# Altium PCB visual_tactile.PcbDoc
Units mil, origin at the board's own origin, x right, y up, seen from the top; angles counter-clockwise.
Board outline 6000 x 4000 mil, 6 copper layers (Top Layer, Mid Layer 1, Mid Layer 2, Mid Layer 3, Mid Layer 4, Bottom Layer), stack 62.874 mil thick; 169 components, 162 nets, 654 pads, 8 vias.
Unrouted connection lines stored in the file: 442.
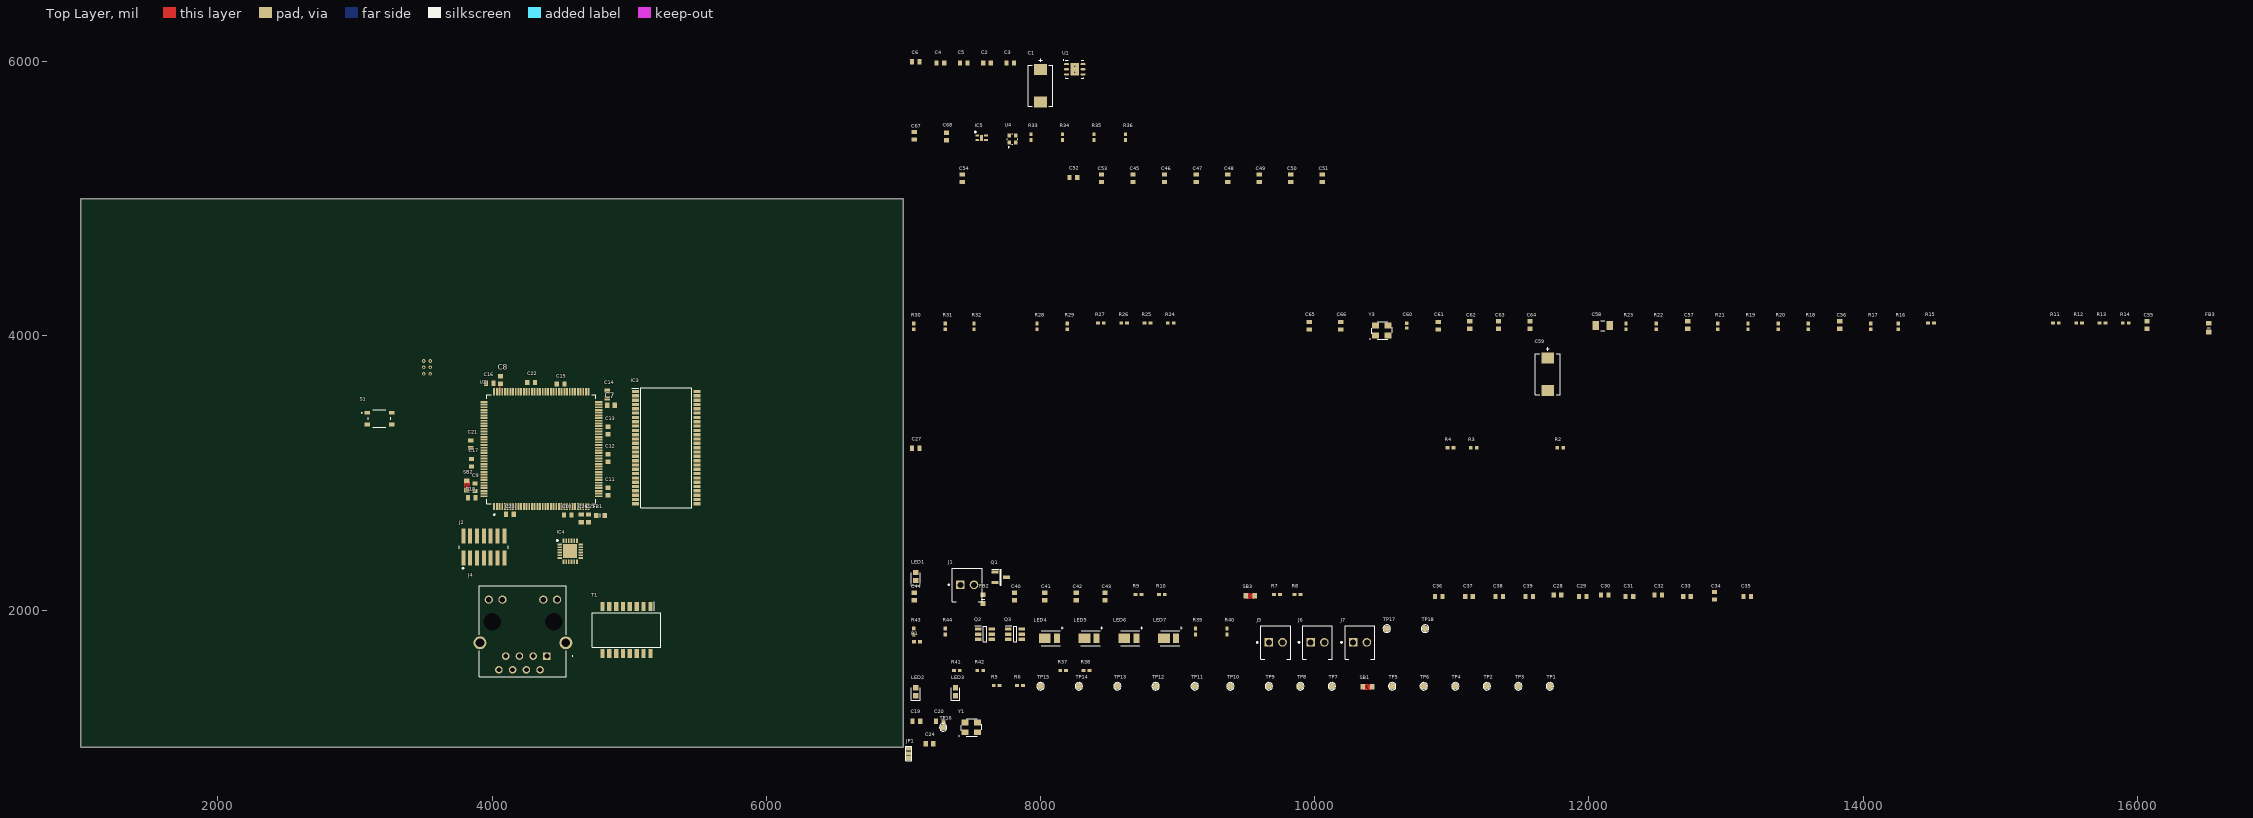
[diagram p0: Top Layer view]
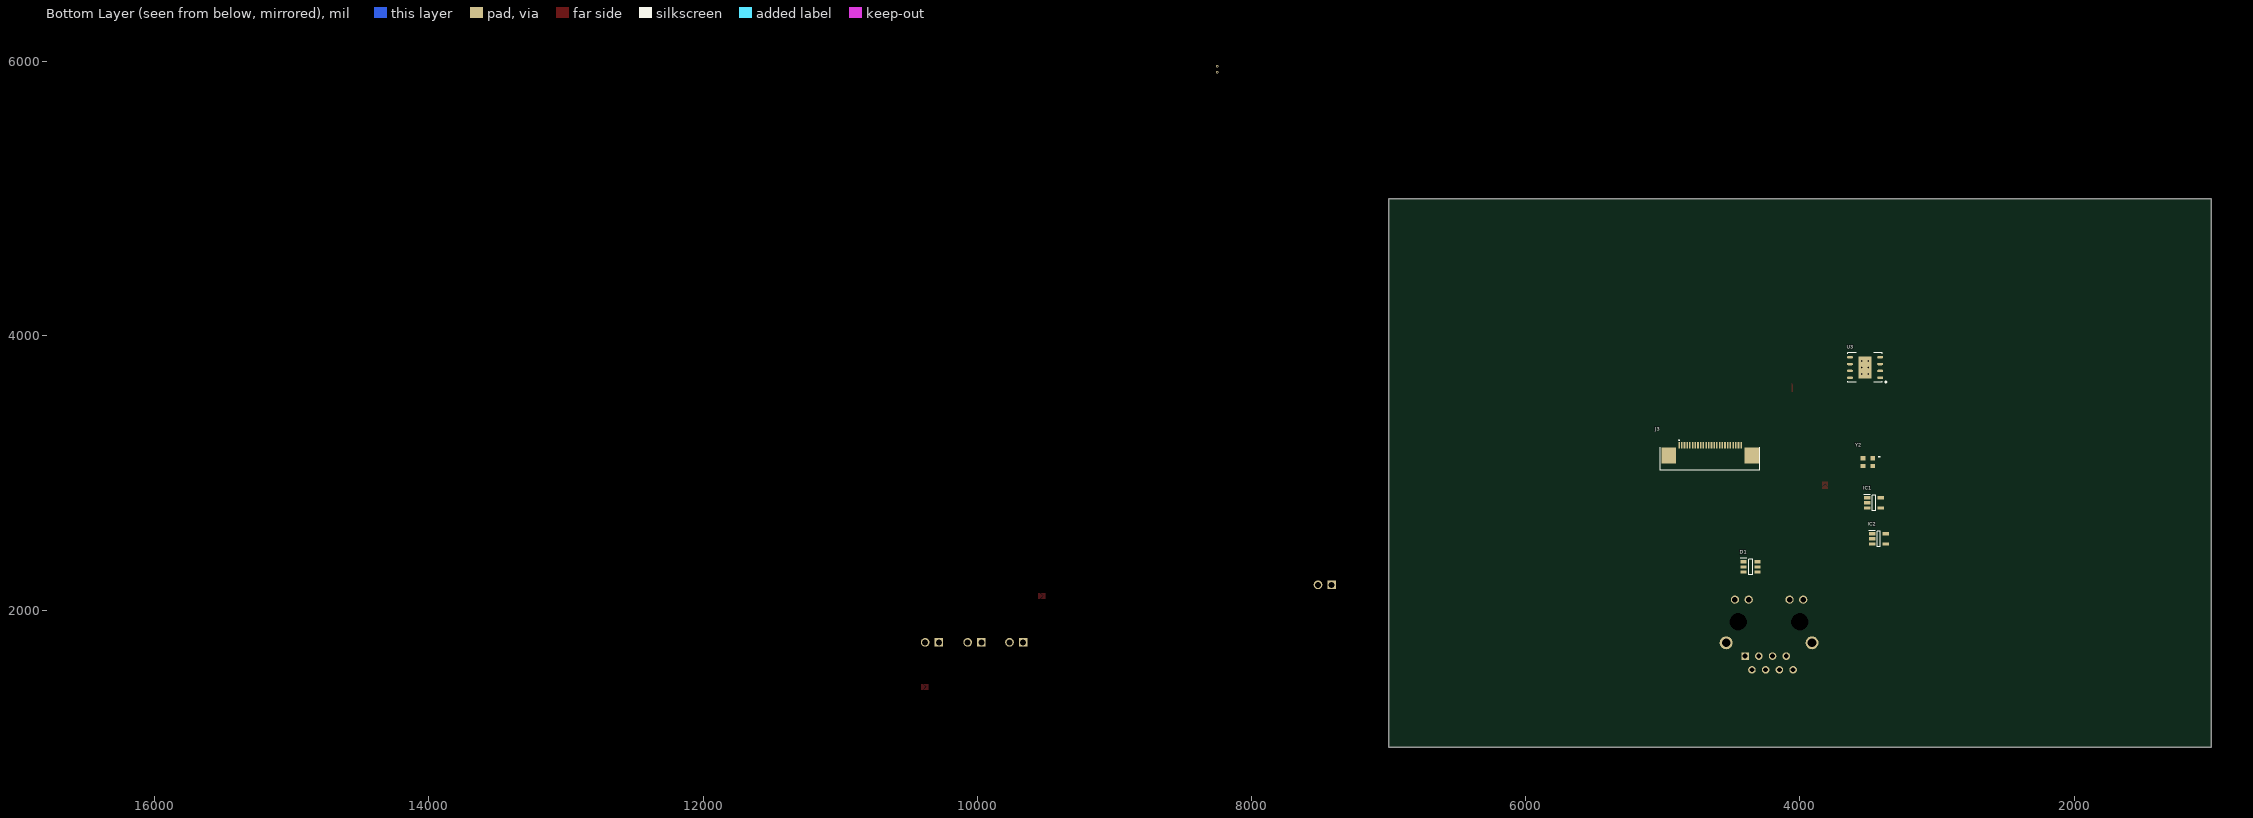
[diagram p1: Bottom Layer view, seen from below]

## Layer stack, top to bottom
Top Solder: solder mask 0.5, Solder Resist, Dk 3.8
Top Layer: signal copper 1.378
Dielectric 1: prepreg 3.937, 2313, Dk 4.05
Mid Layer 1: signal copper 0.689
Core 1: core 22.2441, FR-4, Dk 4.5
Mid Layer 2: signal copper 0.689
Dielectric 2: prepreg 5, 2116, Dk 4.25
Mid Layer 3: signal copper 0.689
Core 2: core 22.2441, FR-4, Dk 4.5
Mid Layer 4: signal copper 0.689
Dielectric 3: prepreg 3.937, 2313, Dk 4.05
Bottom Layer: signal copper 1.378
Bottom Solder: solder mask 0.5, Solder Resist, Dk 3.8

## Board outline
1000,1000 7000,1000 7000,5000 1000,5000

## Design rules (kind name [scope] priority, off if disabled: settings)
Clearance Clearance_1 [All] p1: gap=10 ignorepadtopadclearanceinfootprint=FALSE except(0: Arc-Hole Track-Hole SMDPad-Hole THPad-Hole Via-Hole Fill-Hole Poly-Hole Region-Hole Text-Hole Hole-Hole)
Clearance [All] p2: gap=10 ignorepadtopadclearanceinfootprint=FALSE ismatrix=TRUE
PolygonConnect [All] p1: connectstyle=Relief reliefconductorwidth=10 reliefentries=4 polygonreliefangle="90 Angle" airgapwidth=10
RoutingVias [All] p1: holewidth=28 width=50 viastyle="Through Hole" minholewidth=28 minwidth=50 maxholewidth=28 maxwidth=50
SolderMaskExpansion [All] p1: expansion=4 istentingtop=FALSE
Width [All] p1: maxlimit=10 minlimit=10 preferedwidth=10
30 further rules are at their usual default settings.

## Classes and differential pairs
net class RAM_DQ[15..0]: RAM_DQ0 RAM_DQ1 RAM_DQ2 RAM_DQ3 RAM_DQ4 RAM_DQ5 RAM_DQ6 RAM_DQ7 RAM_DQ8 RAM_DQ9 RAM_DQ10 RAM_DQ11 RAM_DQ12 RAM_DQ13 RAM_DQ14 RAM_DQ15
net class RAM_BA[1..0]: RAM_BA0 RAM_BA1
net class RAM_A[11..0]: RAM_A0 RAM_A1 RAM_A2 RAM_A3 RAM_A4 RAM_A5 RAM_A6 RAM_A7 RAM_A8 RAM_A9 RAM_A10 RAM_A11
net class CAM_D[7..0]: CAM_D0 CAM_D1 CAM_D2 CAM_D3 CAM_D4 CAM_D5 CAM_D6 CAM_D7
component class visual_tactile: C1 C2 C3 C4 C5 C6 J1 LED1 Q1 R1 U1
component class U_sensors_and_led: C67 C68 IC5 J5 J6 J7 LED4 LED5 LED6 LED7 Q2 Q3 R33 R34 R35 R36 R37 R38 R39 R40 R41 R42 R43 R44 TP17 TP18 U4
component class U_memory: C45 C46 C47 C48 C49 C50 C51 C52 C53 C54 IC3 U3
component class U_ethernet: C55 C56 C57 C58 C59 C60 C61 C62 C63 C64 C65 C66 D1 FB3 IC4 J4 R11 R12 R13 R14 R15 R16 R17 R18 R19 R20 R21 R22 R23 R24 R25 R26 R27 R28 R29 R30 R31 R32 T1 Y3
component class U_controller: C7 C8 C9 C10 C11 C12 C13 C14 C15 C16 C17 C18 C19 C20 C21 C22 C23 C24 C25 C26 C27 FB1 J2 LED2 LED3 R2 R3 R4 R5 R6 S1 SB1 SB2 TP1 TP2 TP3 TP4 TP5 TP6 TP7 TP8 TP9 TP10 TP11 TP12 TP13 TP14 TP15 U2 Y1
component class U_camera: C28 C29 C30 C31 C32 C33 C34 C35 C36 C37 C38 C39 C40 C41 C42 C43 C44 FB2 IC1 IC2 J3 JP1 R7 R8 R9 R10 SB3 TP16 Y2

## Components (designator, comment, footprint, x,y, rotation, side; value= is the part's Value field where it differs from the comment)
C1 "10 uf" FP-T491D-MFG 8000,5825 r90 top
C2 "" CAPC1608X87N 7610,5990 r0 top value=1uF
C3 "" CAPC1608X87N 7780,5990 r0 top value=1uF
C4 "" CAPC1608X87N 7270,5990 r0 top value=1uF
C5 "" CAPC1608X87N 7440,5990 r0 top value=1uF
C6 "CGA3E2X7R1H104K080AA" CAPC1608X87N 7090,6000 r0 top value=100nF
C7 "06036C225KAT2A" CAPC1608X87N 4867.56,3495 r180 top value=2.2uF
C8 "06036C225KAT2A" CAPC1608X87N 4061.02,3678.15 r270 top value=2.2uF
C9 "CGA3E2X7R1H104K080AA" CAPC1608X87N 3875.98,2895.67 r270 top value=100nF
C10 "CGA3E2X7R1H104K080AA" CAPC1608X87N 4552.17,2693.9 r180 top value=100nF
C11 "CGA3E2X7R1H104K080AA" CAPC1608X87N 4845,2865 r90 top value=100nF
C12 "CGA3E2X7R1H104K080AA" CAPC1608X87N 4845,3110 r90 top value=100nF
C13 "CGA3E2X7R1H104K080AA" CAPC1608X87N 4845,3310 r90 top value=100nF
C14 "CGA3E2X7R1H104K080AA" CAPC1608X87N 4840,3572.56 r270 top value=100nF
C15 "CGA3E2X7R1H104K080AA" CAPC1608X87N 4500,3650 r180 top value=100nF
C16 "CGA3E2X7R1H104K080AA" CAPC1608X87N 3983.27,3654.53 r180 top value=100nF
C17 "CGA3E2X7R1H104K080AA" CAPC1608X87N 3850,3075 r270 top value=100nF
C18 "CGA3E2X7R1H104K080AA" CAPC1608X87N 3852.36,2818.9 r0 top value=100nF
C19 "CGA3E2X7R1H104K080AA" CAPC1608X87N 7095,1190 r0 top value=100nF
C20 "30 pf" CAPC1608X87N 7265,1190 r0 top value=30pF
C21 "30 pf" CAPC1608X87N 3845,3210 r270 top value=30pF
C22 "CGA3E2X7R1H104K080AA" CAPC1608X87N 4285,3660 r180 top value=100nF
C23 "CGA3E2X7R1H104K080AA" CAPC1608X87N 4130,2700 r180 top value=100nF
C24 "CGA3E2X7R1H104K080AA" CAPC1608X87N 7190,1025 r0 top value=100nF
C25 "CGA3E2X7R1H104K080AA" CAPC1608X87N 4703.74,2669.29 r90 top value=100nF
C26 "CGA3E2X7R1H104K080AA" CAPC1608X87N 4650.59,2669.29 r90 top value=100nF
C27 "CGA3E2X7R1H104K080AA" CAPC1608X87N 7090,3180 r0 top value=100nF
C28 "10 uf" CAPC1608X87N 11770,2110 r0 top value=30pF
C29 "0603ZD105KAT2A" CAPC1608X87N 11955,2100 r0 top value=1uF
C30 "0603ZD105KAT2A" CAPC1608X87N 12115,2110 r0 top value=1uF
C31 "10 uf" CAPC1608X87N 12295,2100 r0 top value=30pF
C32 "0603ZD105KAT2A" CAPC1608X87N 12505,2110 r0 top value=1uF
C33 "0603ZD105KAT2A" CAPC1608X87N 12715,2100 r0 top value=1uF
C34 "10 uf" CAPC1608X87N 12915,2105 r90 top value=30pF
C35 "0603ZD105KAT2A" CAPC1608X87N 13155,2100 r0 top value=1uF
C36 "0603ZD105KAT2A" CAPC1608X87N 10905,2100 r0 top value=1uF
C37 "10 uf" CAPC1608X87N 11125,2100 r0 top value=30pF
C38 "0603ZD105KAT2A" CAPC1608X87N 11345,2100 r0 top value=1uF
C39 "0603ZD105KAT2A" CAPC1608X87N 11565,2100 r0 top value=1uF
C40 "CGA3E2X7R1H104K080AA" CAPC1608X87N 7810,2100 r90 top value=100nF
C41 "CGA3E2X7R1H104K080AA" CAPC1608X87N 8030,2100 r90 top value=100nF
C42 "CGA3E2X7R1H104K080AA" CAPC1608X87N 8260,2100 r90 top value=100nF
C43 "CGA3E2X7R1H104K080AA" CAPC1608X87N 8470,2100 r90 top value=100nF
C44 "CGA3E2X7R1H104K080AA" CAPC1608X87N 7080,2100 r90 top value=100nF
C45 "CGA3E2X7R1H104K080AA" CAPC1608X87N 8675,5150 r90 top value=100nF
C46 "CGA3E2X7R1H104K080AA" CAPC1608X87N 8905,5150 r90 top value=100nF
C47 "CGA3E2X7R1H104K080AA" CAPC1608X87N 9135,5150 r90 top value=100nF
C48 "CGA3E2X7R1H104K080AA" CAPC1608X87N 9365,5150 r90 top value=100nF
C49 "CGA3E2X7R1H104K080AA" CAPC1608X87N 9595,5150 r90 top value=100nF
C50 "CGA3E2X7R1H104K080AA" CAPC1608X87N 9825,5150 r90 top value=100nF
C51 "CGA3E2X7R1H104K080AA" CAPC1608X87N 10055,5150 r90 top value=100nF
C52 "06036C225KAT2A" CAPC1608X87N 8240,5155 r0 top value=2.2uF
C53 "06036C225KAT2A" CAPC1608X87N 8445,5150 r90 top value=2.2uF
C54 "CGA3E2X7R1H104K080AA" CAPC1608X87N 7430,5150 r90 top value=100nF
C55 "CGA3E2X7R1H104K080AA" CAPC1608X87N 16070,4080 r90 top value=100nF
C56 "CGA3E2X7R1H104K080AA" CAPC1608X87N 13830,4080 r90 top value=100nF
C57 "CGA3E2X7R1H104K080AA" CAPC1608X87N 12720,4080 r90 top value=100nF
C58 "1 nf 1206" FP-CC1206-0_3-1_45-IPC_C 12100,4075 r0 top
C59 "10 uf" FP-T491D-MFG 11700,3720 r90 top
C60 "C0603C471J5GACTU" CAPC1005X55N 10670,4075 r90 top value=470pF
C61 "0603ZD105KAT2A" CAPC1608X87N 10900,4075 r90 top value=1uF
C62 "CGA3E2X7R1H104K080AA" CAPC1608X87N 11130,4080 r90 top value=100nF
C63 "CGA3E2X7R1H104K080AA" CAPC1608X87N 11340,4080 r90 top value=100nF
C64 "CGA3E2X7R1H104K080AA" CAPC1608X87N 11570,4080 r90 top value=100nF
C65 "30 pf" CAPC1608X87N 9960,4075 r90 top value=30pF
C66 "30 pf" CAPC1608X87N 10190,4075 r90 top value=30pF
C67 "CGA3E2X7R1H104K080AA" CAPC1608X87N 7080,5460 r90 top value=100nF
C68 "0603ZD105KAT2A" CAPC1608X87N 7315,5455 r90 top value=1uF
D1 "USBLC6-4SC6Y" SOT95P280X145-6N 4360,2315 r180 bottom
FB1 "FBMH1608HM601-T" BEADC1608X90N 4790.35,2689.96 r180 top
FB2 "FBMH1608HM601-T" BEADC1608X90N 7580,2080 r90 top
FB3 "FBMH1608HM601-T" BEADC1608X90N 16520,4060 r90 top
IC1 "TLV74328PDBVR" SOT95P280X145-5N 3460.79,2782.6 r180 bottom
IC2 "TLV74315PDBVR" SOT95P280X145-5N 3425,2520 r180 bottom
IC3 "IS42S16400J-7TLI" SOP80P1176X120-54N 5270,3185 r0 top
IC4 "LAN8742A-CZ-TR" QFN50P400X400X100-25N-D 4570,2430 r0 top
IC5 "SHT40-AD1B-R2" SON80P150X150X59-5N 7570,5445 r0 top
J1 "1725656" PHOE-1725656-2 7465,2185 r0 top
J2 "FTSH-107-01-L-DV-K" FP-FTSH-107-01-L-DV-K-MFG 3940,2460 r0 top
J3 "68712414522" 68712414522 4655,3130 r180 bottom locked
J4 "JXD2-0Z10NL" JXD20Z10NL 4400,1665 r0 top
J5 "1725656" PHOE-1725656-2 9715,1765 r0 top
J6 "1725656" PHOE-1725656-2 10020,1765 r0 top
J7 "1725656" PHOE-1725656-2 10330,1765 r0 top
JP1 "Bridge jumper 3 pin" "Bridge jumper 3 pin" 7040,955 r90 top
LED1 "150060RS75000" LEDC1608X80N 7090,2245 r90 top
LED2 "150060RS75000" LEDC1608X80N 7090,1405 r90 top
LED3 "150060RS75000" LEDC1608X80N 7380,1405 r90 top
LED4 "JE2835BWT-P-U30GA0000-N0000001" JE2835BWTPU30GA0000N0000001 8075,1795 r0 top
LED5 "JE2835BWT-P-U30GA0000-N0000001" JE2835BWTPU30GA0000N0000001 8365,1795 r0 top
LED6 "JE2835BWT-P-U30GA0000-N0000001" JE2835BWTPU30GA0000N0000001 8655,1795 r0 top
LED7 "JE2835BWT-P-U30GA0000-N0000001" JE2835BWTPU30GA0000N0000001 8945,1795 r0 top
Q1 "SI2301CDS-T1-E3" SOT95P237X112-3N 7710,2240 r0 top
Q2 "FMBM5551" SOT95P280X110-6N 7595,1825 r0 top
Q3 "FMBM5551" SOT95P280X110-6N 7815,1825 r0 top
R1 "1 kΩ" RESC1005X35N 7100,1770 r0 top
R2 "0 Ω" RESC1005X35N 11790,3185 r0 top
R3 "0 Ω" RESC1005X35N 11160,3185 r0 top
R4 "10 kΩ" RESC1005X35N 10990,3185 r0 top
R5 "1 kΩ" RESC1005X35N 7680,1450 r0 top
R6 "1 kΩ" RESC1005X35N 7850,1450 r0 top
R7 "10 kΩ" RESC1005X35N 9725,2115 r0 top
R8 "10 kΩ" RESC1005X35N 9875,2115 r0 top
R9 "10 kΩ" RESC1005X35N 8715,2115 r0 top
R10 "10 kΩ" RESC1005X35N 8885,2115 r0 top
R11 "50 Ω" RESC1005X35N 15405,4095 r0 top
R12 "50 Ω" RESC1005X35N 15575,4095 r0 top
R13 "50 Ω" RESC1005X35N 15745,4095 r0 top
R14 "50 Ω" RESC1005X35N 15915,4095 r0 top
R15 "33 Ω" RESC1005X35N 14495,4095 r0 top
R16 "33 Ω" RESC1005X35N 14255,4070 r90 top
R17 "10 KΩ" RESC1005X35N 14055,4070 r90 top
R18 "12K1 Ω" RESC1005X35N 13600,4070 r90 top
R19 "75 Ω" RESC1005X35N 13160,4070 r90 top
R20 "75 Ω" RESC1005X35N 13380,4070 r90 top
R21 "1K5 Ω" RESC1005X35N 12940,4070 r90 top
R22 "10K Ω" RESC1005X35N 12490,4070 r90 top
R23 "33 Ω" RESC1005X35N 12270,4070 r90 top
R24 "0 Ω" RESC1005X35N 8950,4095 r0 top
R25 "0 Ω" RESC1005X35N 8780,4095 r0 top
R26 "0 Ω" RESC1005X35N 8610,4095 r0 top
R27 "0 Ω" RESC1005X35N 8440,4095 r0 top
R28 "75 Ω" RESC1005X35N 7975,4070 r90 top
R29 "75 Ω" RESC1005X35N 8195,4070 r90 top
R30 "75 Ω" RESC1005X35N 7075,4070 r90 top
R31 "75 Ω" RESC1005X35N 7305,4070 r90 top
R32 "75 Ω" RESC1005X35N 7515,4070 r90 top
R33 "10 kΩ" RESC1005X35N 7930,5450 r90 top
R34 "10 kΩ" RESC1005X35N 8160,5450 r90 top
R35 "10 kΩ" RESC1005X35N 8390,5450 r90 top
R36 "10 kΩ" RESC1005X35N 8620,5450 r90 top
R37 "0 Ω" RESC1005X35N 8165,1560 r0 top
R38 "500 Ω" RESC1005X35N 8335,1560 r0 top
R39 "500 Ω" RESC1005X35N 9130,1845 r90 top
R40 "500 Ω" RESC1005X35N 9360,1845 r90 top
R41 "0 Ω" RESC1005X35N 7390,1560 r0 top
R42 "0 Ω" RESC1005X35N 7560,1560 r0 top
R43 "0 Ω" RESC1005X35N 7075,1845 r90 top
R44 "0 Ω" RESC1005X35N 7305,1845 r90 top
S1 "RKB2SJK250SMTR_LFS" RKB2SJK250SMTRLFS 3178.58,3397.32 r0 top
SB1 "Open" SB_0603 10385,1440 r0 top
SB2 "Open" SB_0603 3816.93,2908.75 r270 top
SB3 "Open" SB_0603 9530,2105 r0 top
T1 "H1102NL" SOIC127P940X597-16N 4980,1855 r270 top
TP1 "Test point" "test point" 11715,1445 r90 top
TP2 "Test point" "test point" 11255,1445 r90 top
TP3 "Test point" "test point" 11485,1445 r90 top
TP4 "Test point" "test point" 11025,1445 r90 top
TP5 "Test point" "test point" 10565,1445 r90 top
TP6 "Test point" "test point" 10795,1445 r90 top
TP7 "Test point" "test point" 10125,1445 r90 top
TP8 "Test point" "test point" 9895,1445 r90 top
TP9 "Test point" "test point" 9665,1445 r90 top
TP10 "Test point" "test point" 9385,1445 r90 top
TP11 "Test point" "test point" 9125,1445 r90 top
TP12 "Test point" "test point" 8840,1445 r90 top
TP13 "Test point" "test point" 8560,1445 r90 top
TP14 "Test point" "test point" 8280,1445 r90 top
TP15 "Test point" "test point" 8000,1445 r90 top
TP16 "Test point" "test point" 7290,1145 r90 top
TP17 "Test point" "test point" 10525,1865 r90 top
TP18 "Test point" "test point" 10805,1865 r90 top
U1 "ST1L05APU33R" DFN6D_M 8250,5945 r0 top
U2 "STM32F767ZIT7TR" FP-LQFP144-1A-MFG 4360,3175 r90 top locked
U3 "25LC1024-E/MF" DFNS-MF8 3525,3770 r0 bottom
U4 "LTR-329ALS-01" LTR329ALS01 7795,5425 r0 top
Y1 "ECS-250-20-33-JTN-TR" ECS-250-20-33-JTN-TR 7495,1145 r0 top
Y2 "ECS-2520MV-240-BL-TR" ECS2520MV120BNTR 3505,3080 r0 bottom
Y3 "ECS-250-20-33-JTN-TR" ECS-250-20-33-JTN-TR 10490,4040 r0 top

## Footprints (in the part's own frame and the unit in brackets; to place one, negate y for a bottom-side part, rotate by r counter-clockwise, add the part's x,y. Pads: shape width x height; smd on the part's side, far side on the other; paste and mask are expansions set on the pad)
68712414522 [mm]
  rect 0.3x1.2 smd: 1(-5.75,1.875) 2(-5.25,1.875) 3(-4.75,1.875) 4(-4.25,1.875) 5(-3.75,1.875) 6(-3.25,1.875) 7(-2.75,1.875) 8(-2.25,1.875) 9(-1.75,1.875) 10(-1.25,1.875) 11(-0.75,1.875) 12(-0.25,1.875) 13(0.25,1.875) 14(0.75,1.875) 15(1.25,1.875) 16(1.75,1.875) 17(2.25,1.875) 18(2.75,1.875) 19(3.25,1.875) 20(3.75,1.875) 21(4.25,1.875) 22(4.75,1.875) 23(5.25,1.875) 24(5.75,1.875)
  rect 2.7x3 smd: 25(-7.68,-0.025) 26(7.68,-0.025)
  silkscreen extent -9.2,-2.83 9.2,2.82, body extent -9.2,-2.83 9.2,2.44, height 2.1
BEADC1608X90N [mm]
  rect 0.85x0.95 smd: 1(-0.8,0) 2(0.8,0)
  silkscreen extent 0,-0.3 0,0.3, body extent -0.8,-0.4 0.8,0.4, height 0.9
"Bridge jumper 3 pin" [mil]
  rect 30x40 smd mask+0: 1(-35,0) 2(0,0) 3(35,0)
  silkscreen extent -52,-22 52,22
CAPC1005X55N [mm]
  rect 0.6x0.62 smd: 1(-0.46,0) 2(0.46,0)
  body extent -0.52,-0.28 0.53,0.27, height 0.55
CAPC1608X87N [mm]
  rect 0.78x0.98 smd: 1(-0.7,0) 2(0.7,0)
  body extent -0.87,-0.48 0.88,0.47, height 0.87
DFN6D_M [mm] "SON, 6-Leads, Body 3x3mm, Pitch 0.95mm, Thermal Pad 2.4x1.65mm, IPC Low Density"
  oval 0.9x0.4 smd: 1(-1.525,0.95) 2(-1.525,0) 3(-1.525,-0.95) 4(1.525,-0.95) 5(1.525,0) 6(1.525,0.95)
  rect 1.65x2.4 smd: 7(0,0)
  silkscreen extent -2.15,-1.7 1.7,1.75, body extent -1.55,-1.55 1.55,1.55, height 0.95
DFNS-MF8 [mm] "SON, 8-Leads, Body 5x6mm, Pitch 1.27mm, Microchip Recommended"
  oval 1.1x0.45 smd: 1(-2.8,1.905) 2(-2.8,0.635) 3(-2.8,-0.635) 4(-2.8,-1.905) 5(2.8,-1.905) 6(2.8,-0.635) 7(2.8,0.635) 8(2.8,1.905)
  rect 2.4x4.1 smd: 9(0,0)
  silkscreen extent -3.97,-2.7 3.2,2.8, body extent -3.05,-2.55 3.05,2.55, height 1
ECS2520MV120BNTR [mm]
  rect 0.9x0.8 smd: 1(-0.925,-0.725) 2(0.925,-0.725) 3(0.925,0.725) 4(-0.925,0.725)
  silkscreen extent -2.2,-1.1 -2,-0.9, body extent -1.3,-1.04 1.3,1.04, height 1
ECS-250-20-33-JTN-TR [mm]
  rect 1.3x1.1 smd: 1(-1.15,-0.9) 2(1.15,-0.9) 3(1.15,0.9) 4(-1.15,0.9)
  silkscreen extent -2.3,-1.65 1.9,1.6, body extent -2.1,-1.8 2.1,1.8, height 0.25
FP-CC1206-0_3-1_45-IPC_C [mil]
  rect 47.38x67.17 smd paste+0 mask+0: 1(-51.2,0) 2(51.2,0)
  silkscreen extent -16,-35 16,35, body extent -79,-39 79,39, height 10
FP-FTSH-107-01-L-DV-K-MFG [mm]
  rect 0.74x2.79 smd paste+0 mask+0: 1(-3.81,-2.035) 2(-3.81,2.035) 3(-2.54,-2.035) 4(-2.54,2.035) 5(-1.27,-2.035) 6(-1.27,2.035) 7(0,-2.035) 8(0,2.035) 9(1.27,-2.035) 10(1.27,2.035) 11(2.54,-2.035) 12(2.54,2.035) 13(3.81,-2.035) 14(3.81,2.035)
  silkscreen extent -4.51,-4.04 4.51,0.27, body extent -4.44,-2.92 4.44,2.92, height 6.25
FP-LQFP144-1A-MFG [mm]
  rect 1.35x0.35 smd paste+0 mask+0: 1(-10.625,8.75) 2(-10.625,8.25) 3(-10.625,7.75) 4(-10.625,7.25) 5(-10.625,6.75) 6(-10.625,6.25) 7(-10.625,5.75) 8(-10.625,5.25) 9(-10.625,4.75) 10(-10.625,4.25) 11(-10.625,3.75) 12(-10.625,3.25) 13(-10.625,2.75) 14(-10.625,2.25) 15(-10.625,1.75) 16(-10.625,1.25) 17(-10.625,0.75) 18(-10.625,0.25) 19(-10.625,-0.25) 20(-10.625,-0.75) 21(-10.625,-1.25) 22(-10.625,-1.75) 23(-10.625,-2.25) 24(-10.625,-2.75) 25(-10.625,-3.25) 26(-10.625,-3.75) 27(-10.625,-4.25) 28(-10.625,-4.75) 29(-10.625,-5.25) 30(-10.625,-5.75) 31(-10.625,-6.25) 32(-10.625,-6.75) 33(-10.625,-7.25) 34(-10.625,-7.75) 35(-10.625,-8.25) 36(-10.625,-8.75) 73(10.625,-8.75) 74(10.625,-8.25) 75(10.625,-7.75) 76(10.625,-7.25) 77(10.625,-6.75) 78(10.625,-6.25) 79(10.625,-5.75) 80(10.625,-5.25) 81(10.625,-4.75) 82(10.625,-4.25) 83(10.625,-3.75) 84(10.625,-3.25) 85(10.625,-2.75) 86(10.625,-2.25) 87(10.625,-1.75) 88(10.625,-1.25) 89(10.625,-0.75) 90(10.625,-0.25) 91(10.625,0.25) 92(10.625,0.75) 93(10.625,1.25) 94(10.625,1.75) 95(10.625,2.25) 96(10.625,2.75) 97(10.625,3.25) 98(10.625,3.75) 99(10.625,4.25) 100(10.625,4.75) 101(10.625,5.25) 102(10.625,5.75) 103(10.625,6.25) 104(10.625,6.75) 105(10.625,7.25) 106(10.625,7.75) 107(10.625,8.25) 108(10.625,8.75)
  rect 0.35x1.35 smd paste+0 mask+0: 37(-8.75,-10.625) 38(-8.25,-10.625) 39(-7.75,-10.625) 40(-7.25,-10.625) 41(-6.75,-10.625) 42(-6.25,-10.625) 43(-5.75,-10.625) 44(-5.25,-10.625) 45(-4.75,-10.625) 46(-4.25,-10.625) 47(-3.75,-10.625) 48(-3.25,-10.625) 49(-2.75,-10.625) 50(-2.25,-10.625) 51(-1.75,-10.625) 52(-1.25,-10.625) 53(-0.75,-10.625) 54(-0.25,-10.625) 55(0.25,-10.625) 56(0.75,-10.625) 57(1.25,-10.625) 58(1.75,-10.625) 59(2.25,-10.625) 60(2.75,-10.625) 61(3.25,-10.625) 62(3.75,-10.625) 63(4.25,-10.625) 64(4.75,-10.625) 65(5.25,-10.625) 66(5.75,-10.625) 67(6.25,-10.625) 68(6.75,-10.625) 69(7.25,-10.625) 70(7.75,-10.625) 71(8.25,-10.625) 72(8.75,-10.625) 109(8.75,10.625) 110(8.25,10.625) 111(7.75,10.625) 112(7.25,10.625) 113(6.75,10.625) 114(6.25,10.625) 115(5.75,10.625) 116(5.25,10.625) 117(4.75,10.625) 118(4.25,10.625) 119(3.75,10.625) 120(3.25,10.625) 121(2.75,10.625) 122(2.25,10.625) 123(1.75,10.625) 124(1.25,10.625) 125(0.75,10.625) 126(0.25,10.625) 127(-0.25,10.625) 128(-0.75,10.625) 129(-1.25,10.625) 130(-1.75,10.625) 131(-2.25,10.625) 132(-2.75,10.625) 133(-3.25,10.625) 134(-3.75,10.625) 135(-4.25,10.625) 136(-4.75,10.625) 137(-5.25,10.625) 138(-5.75,10.625) 139(-6.25,10.625) 140(-6.75,10.625) 141(-7.25,10.625) 142(-7.75,10.625) 143(-8.25,10.625) 144(-8.75,10.625)
  silkscreen extent -12.27,-10.1 10.1,10.1, body extent -11.4,-11.4 11.4,11.4, height 0.25
FP-T491D-MFG [mm]
  rect 1.99x2.33 smd paste+0 mask+0: 1(-3.01,0) 2(3.01,0)
  silkscreen extent -3.8,-2.3 5,2.3, body extent -4.13,-2.42 4.13,2.42, height 0.25
JE2835BWTPU30GA0000N0000001 [mm]
  rect 2.2x1.8 smd: 1(-1.12,0)
  rect 1.1x1.8 smd: 2(1.12,0)
  silkscreen extent -1.8,-1.4 2.29,2.11
JXD20Z10NL [mm]
  rect 1.4x1.4 hole 0.9: 1(0,0)
  round 1.4 hole 0.9: 2(-1.27,-2.54) 3(-2.54,0) 4(-3.81,-2.54) 5(-5.08,0) 6(-6.35,-2.54) 7(-7.62,0) 8(-8.89,-2.54)
  round 1.53 hole 1.02: 9(1.88,10.46) 10(-0.66,10.46) 11(-8.23,10.46) 12(-10.77,10.46)
  round 2.4 hole 1.6: MH1(3.51,2.46) MH2(-12.4,2.46)
  round 1.625 hole 3.25 unplated: MH3(1.27,6.35) MH4(-10.16,6.35)
  silkscreen extent -12.49,-3.85 4.8,13.05, body extent -13.1,-3.85 4.21,13.05, height 17.3
LEDC1608X80N [mm]
  rect 0.95x0.95 smd: 1(-0.75,0) 2(0.75,0)
  silkscreen extent -1.58,-0.82 0.75,0.82, body extent -0.8,-0.4 0.8,0.4, height 0.7
LTR329ALS01 [mm]
  rect 0.7x0.75 smd: 1(-0.6,-0.4) 2(0.6,-0.4) 3(0.6,0.95) 4(-0.6,0.95)
  silkscreen extent -1,-1.32 1,1.28, body extent -1,-0.7 1,1.3, height 0.71
PHOE-1725656-2 [mm] "Connector, 2-Leads, Body 6.2x5.4mm, Pitch 2.54mm"
  rect 1.6x1.6 hole 1.1: 1(-1.27,0)
  round 1.6 hole 1.1: 2(1.27,0)
  round 0 hole 1.1 unplated: MH1(-1.27,-2.54) MH2(1.27,-2.54)
  silkscreen extent -3.54,-3.1 2.77,3.1, body extent -2.77,-3.1 2.77,3.1, height 9
QFN50P400X400X100-25N-D [mm]
  rect 0.85x0.3 smd: 1(-1.95,1.25) 2(-1.95,0.75) 3(-1.95,0.25) 4(-1.95,-0.25) 5(-1.95,-0.75) 6(-1.95,-1.25) 13(1.95,-1.25) 14(1.95,-0.75) 15(1.95,-0.25) 16(1.95,0.25) 17(1.95,0.75) 18(1.95,1.25)
  rect 0.3x0.85 smd: 7(-1.25,-1.95) 8(-0.75,-1.95) 9(-0.25,-1.95) 10(0.25,-1.95) 11(0.75,-1.95) 12(1.25,-1.95) 19(1.25,1.95) 20(0.75,1.95) 21(0.25,1.95) 22(-0.25,1.95) 23(-0.75,1.95) 24(-1.25,1.95)
  rect 2.6x2.6 smd: 25(0,0)
  silkscreen extent -2.5,1.88 -2.25,2.12, body extent -2.05,-2.05 2.05,2.05, height 1
RESC1005X35N [mm]
  rect 0.7x0.6 smd: 1(-0.55,0) 2(0.55,0)
  body extent -0.5,-0.25 0.5,0.25, height 0.35
RKB2SJK250SMTRLFS [mm]
  rect 1x0.7 smd: 1(-2.25,1.075) 2(2.25,1.075) 3(-2.25,-1.075) 4(2.25,-1.075)
  silkscreen extent -3.3,-1.6 2.1,1.6, body extent -2.25,-1.6 2.25,1.6, height 2.5
SB_0603 [mil] "Jumper"
  rect 32x40 smd: 1(33.75,0) 2(-33.75,0)
  Top Layer region: 23.75,20 13.75,20 -6.25,0 13.75,-20 23.75,-20
  Top Layer region: -26.25,0 -16.25,0 3.75,20 -26.25,20
  Top Layer region: -26.25,0 -16.25,0 3.75,-20 -26.25,-20
SOIC127P940X597-16N [mm]
  rect 1.645x0.8 smd: 1(-4.378,4.445) 2(-4.378,3.175) 3(-4.378,1.905) 4(-4.378,0.635) 5(-4.378,-0.635) 6(-4.378,-1.905) 7(-4.378,-3.175) 8(-4.378,-4.445) 9(4.378,-4.445) 10(4.378,-3.175) 11(4.378,-1.905) 12(4.378,-0.635) 13(4.378,0.635) 14(4.378,1.905) 15(4.378,3.175) 16(4.378,4.445)
  silkscreen extent -5.2,-6.35 3.2,6.35, body extent -4.76,-6.35 4.76,6.35, height 5.95
SON80P150X150X59-5N [mm]
  rect 0.7x0.35 smd: 1(-0.8,0.4) 2(-0.8,-0.4) 3(0.8,-0.4) 4(0.8,0.4)
  rect 0.5x1.1 smd: 5(0,0)
  silkscreen extent -1.27,0.95 -1.02,1.2, body extent -0.8,-0.75 0.8,0.75, height 0.59
SOP80P1176X120-54N [mm]
  rect 1.295x0.6 smd: 1(-5.728,10.4) 2(-5.728,9.6) 3(-5.728,8.8) 4(-5.728,8) 5(-5.728,7.2) 6(-5.728,6.4) 7(-5.728,5.6) 8(-5.728,4.8) 9(-5.728,4) 10(-5.728,3.2) 11(-5.728,2.4) 12(-5.728,1.6) 13(-5.728,0.8) 14(-5.728,0) 15(-5.728,-0.8) 16(-5.728,-1.6) 17(-5.728,-2.4) 18(-5.728,-3.2) 19(-5.728,-4) 20(-5.728,-4.8) 21(-5.728,-5.6) 22(-5.728,-6.4) 23(-5.728,-7.2) 24(-5.728,-8) 25(-5.728,-8.8) 26(-5.728,-9.6) 27(-5.728,-10.4) 28(5.728,-10.4) 29(5.728,-9.6) 30(5.728,-8.8) 31(5.728,-8) 32(5.728,-7.2) 33(5.728,-6.4) 34(5.728,-5.6) 35(5.728,-4.8) 36(5.728,-4) 37(5.728,-3.2) 38(5.728,-2.4) 39(5.728,-1.6) 40(5.728,-0.8) 41(5.728,0) 42(5.728,0.8) 43(5.728,1.6) 44(5.728,2.4) 45(5.728,3.2) 46(5.728,4) 47(5.728,4.8) 48(5.728,5.6) 49(5.728,6.4) 50(5.728,7.2) 51(5.728,8) 52(5.728,8.8) 53(5.728,9.6) 54(5.728,10.4)
  silkscreen extent -6.38,-11.11 4.73,11.11, body extent -5.88,-11.11 5.88,11.11, height 1.2
SOT95P237X112-3N [mm]
  rect 1.3x0.6 smd: 1(-1.05,0.95) 2(-1.05,-0.95) 3(1.05,0)
  silkscreen extent -1.7,-1.46 0.05,1.5, body extent -1.18,-1.46 1.18,1.46, height 1.12
SOT95P280X110-6N [mm]
  rect 1.2x0.6 smd: 1(-1.25,0.95) 2(-1.25,0) 3(-1.25,-0.95) 4(1.25,-0.95) 5(1.25,0) 6(1.25,0.95)
  silkscreen extent -1.85,-1.45 0.3,1.6, body extent -1.4,-1.45 1.4,1.45, height 1.1
SOT95P280X145-5N [mm]
  rect 1.2x0.6 smd: 1(-1.25,0.95) 2(-1.25,0) 3(-1.25,-0.95) 4(1.25,-0.95) 5(1.25,0.95)
  silkscreen extent -1.85,-1.45 0.3,1.5, body extent -1.4,-1.45 1.4,1.45, height 1.2
SOT95P280X145-6N [mm]
  rect 1.15x0.6 smd: 1(-1.3,0.95) 2(-1.3,0) 3(-1.3,-0.95) 4(1.3,-0.95) 5(1.3,0) 6(1.3,0.95)
  silkscreen extent -1.88,-1.46 0.38,1.6, body extent -1.4,-1.46 1.4,1.46, height 1.45
"test point" [mm]
  round 1.2 smd: 1(0,0)
  silkscreen extent -0.7,-0.7 0.7,0.7, body extent -0.6,-0.6 0.6,0.6, height 0.03

## Part data
C1 C59: library part CMP-2000-07200-2, "CAP TANT 10UF 10% 25V 2917", Capacitance=10uF, Case Code (Imperial)=2917, Case Code (Metric)=7343, Dielectric Material=Tantalum, ESR (Equivalent Series Resistance)=1R, Leakage Current=2.5uA, Max Operating Temperature=125°C, Min Operating Temperature=-55°C, Package Quantity=1, Ripple Current=387mA, Tolerance=20%, Voltage=25V, Case/Package=2917, Depth=4.3mm, Dissipation Factor=6%, Features="General Purpose", Height=2.8mm, Height - Seated (Max)=0.122inch, Lead Free="Lead Free", Length=7.3mm, Life (Hours)=2000Hour, Mount="Surface Mount", Number of Pins=2, Packaging="Tape and Reel", Polarity=Polar, Radiation Hardening=No, REACH SVHC="No SVHC", Termination=SMD/SMT, Voltage Rating=25V, Voltage Rating (DC)=25V, Width=4.3mm
C2 C3 C4 C5: library part C0603C300J5GACTU, "Ceramic Capacitor, Multilayer, Ceramic, 10V, 10% +Tol, 10% -Tol, X5R, 15% TC, 1uF, Surface Mount, 0603", Capacitor Type=Ceramic, Case/Package=0603, Manufacturer=KEMET, Max Operating Temperature=125°C, Min Operating Temperature=-55°C, Mouser Part Number=80-C0603C300J5G, Package Shape=Rectangular, Package Style=SMTMeter, Rated DC Voltage (URdc)=50V, Temperature Characteristics Code=C0G, Tolerance  (fill in as +-)=5%, Arrow Part Number=C0603C300J5GACTU, Arrow Price/Stock=https://www.arrow.com/en/products/c0603c300j5gactu/kemet-corporation, Category="Ceramic Capacitors", ComponentLink1Description=https://datasheet.ciiva.com:443/pdfs/VipMasterIC/IC/KEME/KEME-S-A0005605168/KEME-S-A0005605168-1.pdf?src-supplier=IHS+Markit, ComponentLink1URL=https://datasheet.ciiva.com:443/pdfs/VipMasterIC/IC/KEME/KEME-S-A0005605168/KEME-S-A0005605168-1.pdf?src-supplier=IHS+Markit, ComponentLink2Description=https://datasheet.ciiva.com/22700/1691965-22700853.pdf?src-supplier=Element14, ComponentLink2URL=https://datasheet.ciiva.com/22700/1691965-22700853.pdf?src-supplier=Element14, ComponentLink3Description=https://datasheet.ciiva.com/5420/kem-c1003-c0g-smd-356956-5420875.pdf?src-supplier=Mouser, ComponentLink3URL=https://datasheet.ciiva.com/5420/kem-c1003-c0g-smd-356956-5420875.pdf?src-supplier=Mouser, ComponentLink4Description=https://datasheet.ciiva.com:443/pdfs/VipMasterIC/IC/TDKC/TDKC-S-A0008796792/TDKC-S-A0008796792-1.pdf?src-supplier=IHS+Markit, ComponentLink4URL=https://datasheet.ciiva.com:443/pdfs/VipMasterIC/IC/TDKC/TDKC-S-A0008796792/TDKC-S-A0008796792-1.pdf?src-supplier=IHS+Markit, ComponentLink5Description=https://datasheet.ciiva.com:443/pdfs/VipMasterIC/IC/KEME/KEME-S-A0008991665/KEME-S-A0008991665-1.pdf?src-supplier=IHS+Markit, ComponentLink5URL=https://datasheet.ciiva.com:443/pdfs/VipMasterIC/IC/KEME/KEME-S-A0008991665/KEME-S-A0008991665-1.pdf?src-supplier=IHS+Markit, Datasheet Link=https://content.kemet.com/datasheets/KEM_C1003_C0G_SMD.pdf, Dielectric Material=Ceramic, Height=0.87mm, JESD-609 Code=e3, Length=1.6mm, Manufacturer Part Number=C0603C300J5GACTU, Manufacturer_Name=KEMET, Manufacturer_Part_Number=C0603C300J5GACTU, Mounting Technology="Surface Mount", Mouser Price/Stock=https://www.mouser.co.uk/ProductDetail/KEMET/C0603C300J5GACTU?qs=KQYYlyH3z3RpeXhtJmCcMA%3D%3D, Multilayer=Yes, Packaging="Tape and Reel", Pins=2, Pricing="1=0.1, 10=0.032, 50=0.032, 100=0.016, 1000=0.011, 10000=0.008 (USD)", Reach SVHC Compliant=Yes, RoHS=Yes, RoHS Compliant=Yes, Stock=135157, Supplier=Mouser, Supplier Part Number=80-C0603C300J5G, Terminal Finish=Nickel, Termination=Wraparound, Tolerance (fill in as +-)=5%, Width=0.8mm
C6 C9 C10 C11 C12 C13 C14 C15 C16 C17 C18 C19 C22 C23 C24 C25 C26 C27 C40 C41 C42 C43 C44 C45 C46 C47 C48 C49 C50 C51 C54 C55 C56 C57 C62 C63 C64 C67: library part C0603C300J5GACTU, "Ceramic Capacitor, Multilayer, Ceramic, 50V, 10% +Tol, 10% -Tol, X7R, 15% TC, 0.1uF, Surface Mount, 0603", Capacitor Type=Ceramic, Case/Package=0603, Manufacturer=TDK, Manufacturer_Name=KEMET, Max Operating Temperature=125°C, Min Operating Temperature=-55°C, Mouser Part Number=80-C0603C300J5G, Package Shape=Rectangular, Package Style=SMTMeter, Rated DC Voltage (URdc)=50V, Supplier Part Number=7882985P, Temperature Characteristics Code=X7R, Tolerance  (fill in as +-)=10%, Arrow Part Number=C0603C300J5GACTU, Arrow Price/Stock=https://www.arrow.com/en/products/c0603c300j5gactu/kemet-corporation, Category="Ceramic Capacitors", ComponentLink1Description=https://datasheet.ciiva.com:443/pdfs/VipMasterIC/IC/TDKC/TDKC-S-A0008953915/TDKC-S-A0008953915-1.pdf?src-supplier=IHS+Markit, ComponentLink1URL=https://datasheet.ciiva.com:443/pdfs/VipMasterIC/IC/TDKC/TDKC-S-A0008953915/TDKC-S-A0008953915-1.pdf?src-supplier=IHS+Markit, Datasheet Link=https://content.kemet.com/datasheets/KEM_C1003_C0G_SMD.pdf, Dielectric Material=Ceramic, Height=0.87mm, JESD-609 Code=e3, Length=1.6mm, Manufacturer Part Number=CGA3E2X7R1H104K080AA, Manufacturer_Part_Number=C0603C300J5GACTU, Mounting Technology="Surface Mount", Mouser Price/Stock=https://www.mouser.co.uk/ProductDetail/KEMET/C0603C300J5GACTU?qs=KQYYlyH3z3RpeXhtJmCcMA%3D%3D, Multilayer=Yes, Packaging="Tape and Reel", Pins=2, Pricing="250=0.042, 500=0.039, 1000=0.037, 2500=0.033 (EUR)", Reach SVHC Compliant=Yes, Reference Standard=AEC-Q200, RoHS=Yes, RoHS Compliant=Yes, Stock=84850, Supplier=Rs, Terminal Finish=Nickel, Termination=Wraparound, Tolerance (fill in as +-)=10%, Width=0.8mm